# KiCad board JL_checkpoint.kicad_pcb (continued)
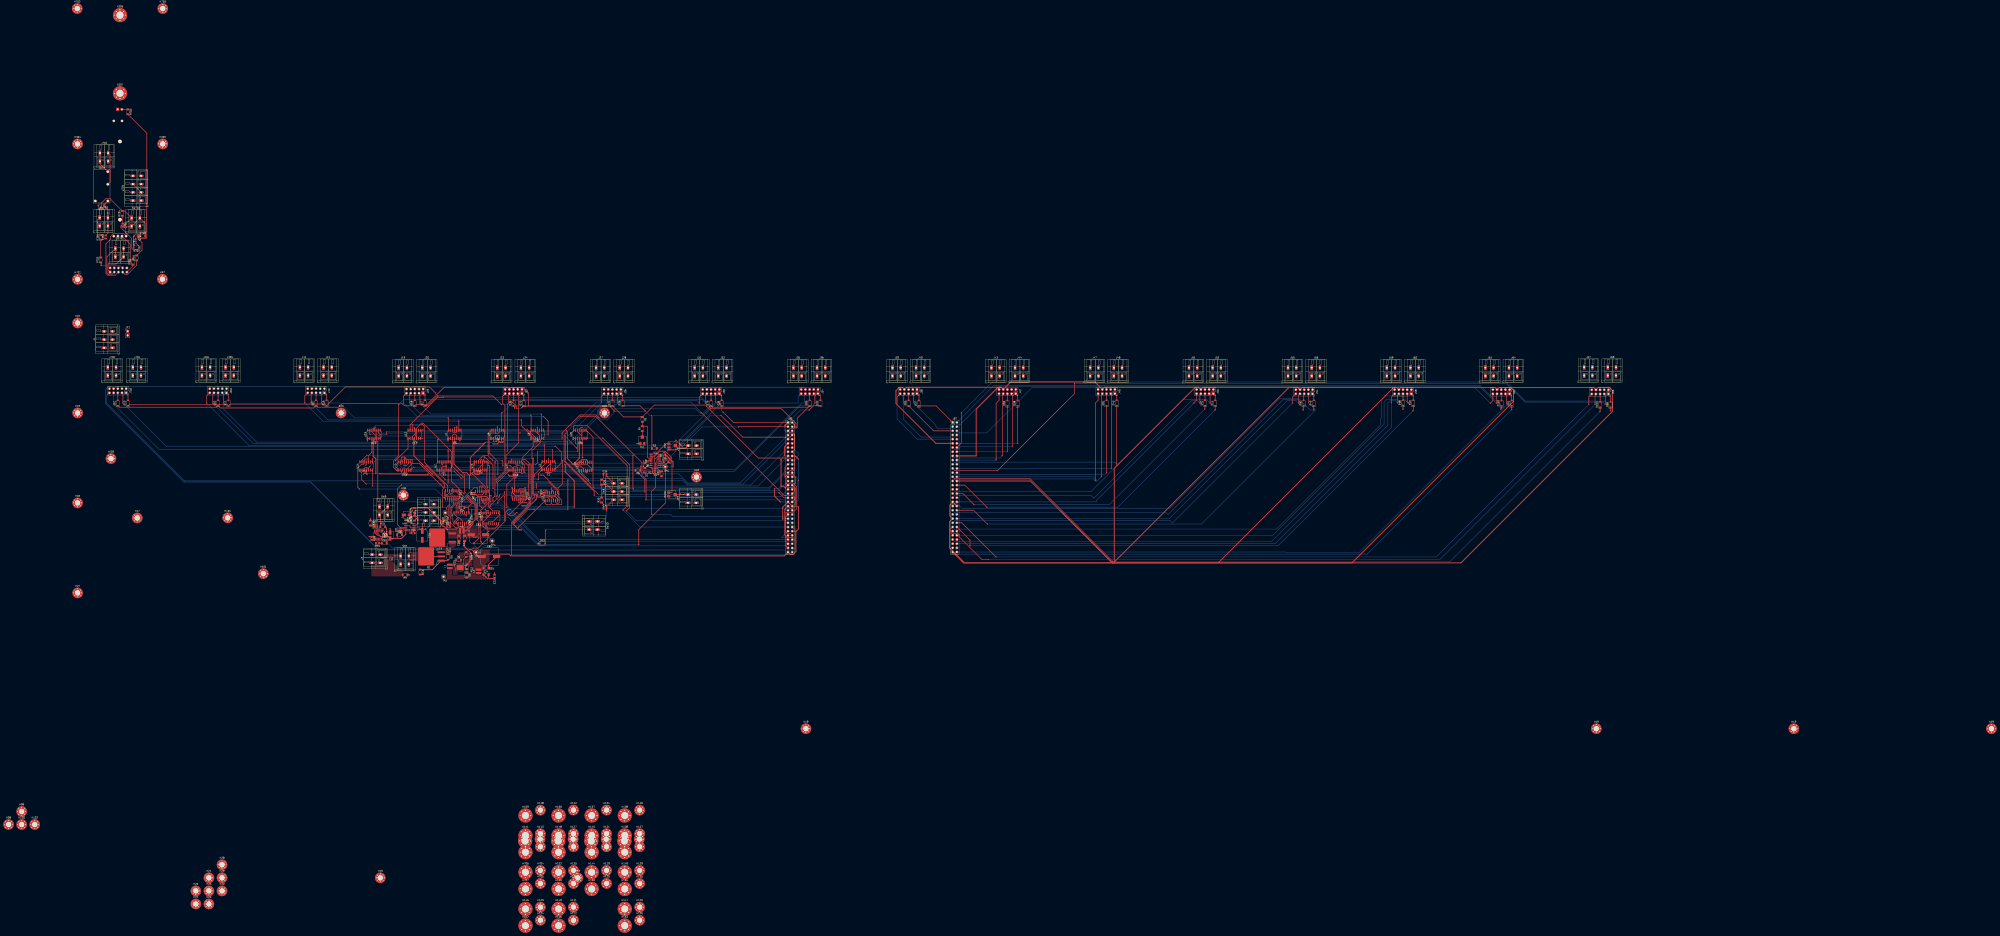
[diagram p0: board, top side]
## Copper pours and planes (outline as drawn; the poured copper is in the pictures) (continued)
GND on Top: 274.19,222.75 279.44,222.75 279.44,223.25 281.94,223.25 281.94,218.25 275.44,218.25 276.44,219.5 274.19,219.5
GND on In1.Cu, In2.Cu: 521.95,366.65 993.19,367 993.19,203 522.19,202.5
GND on In1.Cu, In2.Cu: 41.95,366.15 513.19,366.5 513.19,202.5 40.69,202
/Power Supply/POL-FET-D on Top: 242.94,226 243.69,227 247.44,227 249.19,228.25 249.19,220.5 247.44,221.75 243.69,221.75 242.69,223.75
/Power Supply/PowerIn- on Top: 220.44,225.75 237.94,225.75 237.94,223.25 226.69,223.25 224.69,225 220.44,225
/Power Supply/PowerIn- on Top: 220.44,221.5 226.69,221.5 227.94,222.5 231.69,222.5 239.69,214.75 239.69,212.25 220.44,212.25
/Power Supply/SW-REG_CB on Top: 272.69,215.75 272.69,213.25 269.94,213.25 269.94,218.25 271.69,218.25 271.69,215.75
/Power Supply/SW_REG_L on Top: 266.19,218.5 266.19,220.5 272.94,220.5 272.94,218.5
/Power Supply/Unfiltered-6V on Top: 267.04,240.8 267.21,242.5 267.09,243.6 265.46,243.6 265.44,245.73 267.71,245.73 267.74,243.77 268.66,243.75 269.04,243.48 269.01,242.38 269.14,240.8
/Power Supply/Unfiltered-6V on Top: 272.79,241.68 271.89,240.75 267.04,240.8 267.01,235.15 275.14,235.18 275.16,241.68
SECONDARY_5VA on Top: 281.51,215.48 289.99,215.5 289.89,220.12 292.09,221.18 292.24,228.55 282.11,228.4 282.19,217.93 281.51,217.93
